# KiCad board WS2812B LED Ring7.kicad_pcb (continued)
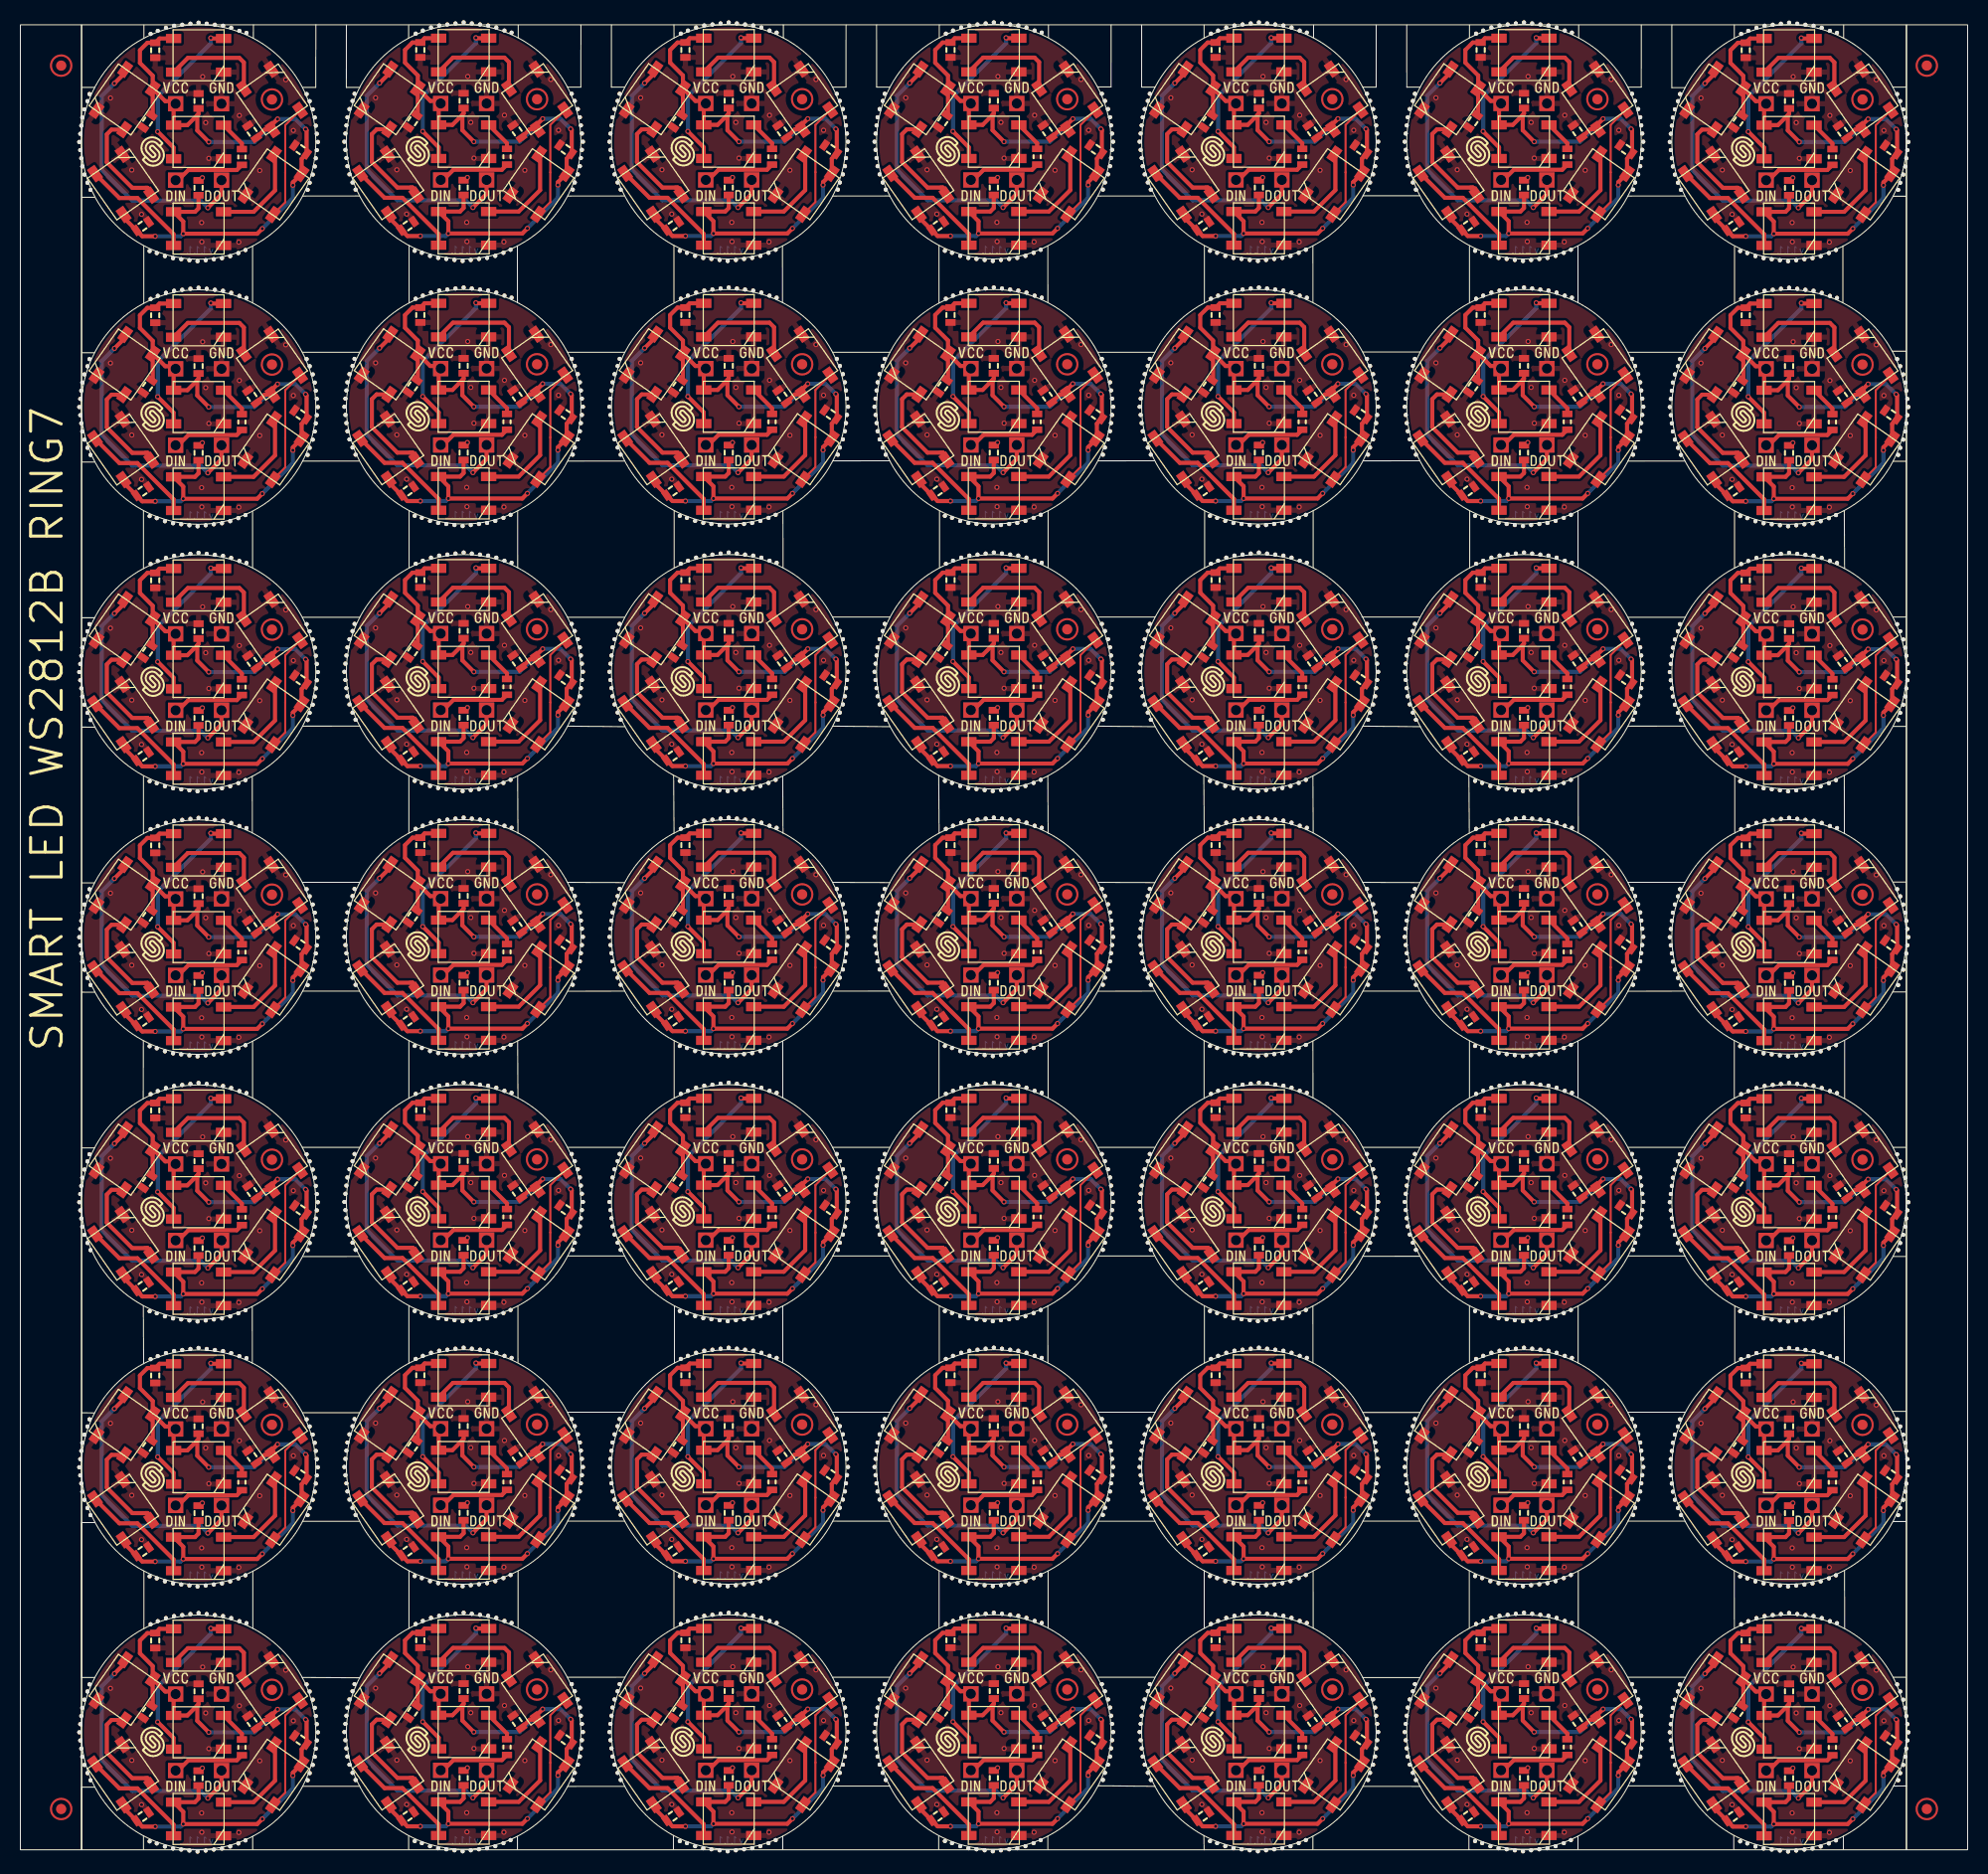
[diagram p0: board, top side]
## Routing (per net, layer and track width the routed paths; a pad name or vN(x,y) marks a point on that pad's centre or on a via; arc(x,y) is an arc through that point) (continued)
Net-(LED3-Pad2): length 555.1
  Top w0.2: LED4#17.4 77.97,5.64 77.97,8.56 77.98,8.56 77.98,13.21 LED3#18.2 ; LED4#7.4 181.97,161.62 181.97,164.53 181.98,164.54 181.98,169.19 LED3#21.2 ; LED4#30.4 77.97,161.64 77.97,164.56 77.98,164.56 77.98,169.21 LED3#16.2 ; LED4#23.4 181.97,57.62 181.97,60.53 181.98,60.54 181.98,65.19 LED3#19.2 ; LED3#24.2 77.98,39.21 77.98,34.56 77.97,34.56 77.97,31.64 LED4#10.4 ; LED4#9.4 155.97,57.64 155.97,60.56 155.98,60.56 155.98,65.21 LED3.2 ; LED3#36.2 155.98,169.21 155.98,164.56 155.97,164.56 155.97,161.64 LED4#28.4 ; LED3#49.2 181.98,143.19 181.98,138.54 181.97,138.53 181.97,135.62 LED4#19.4 ; LED3#28.2 103.98,169.21 103.98,164.56 103.97,164.56 103.97,161.64 LED4#38.4 ; LED4#49.4 25.97,5.62 25.97,8.53 25.98,8.54 25.98,13.19 LED3#9.2 ; LED3#35.2 155.98,91.21 155.98,86.56 155.97,86.56 155.97,83.64 LED4#13.4 ; LED4#46.4 51.97,109.64 51.97,112.56 51.98,112.56 51.98,117.21 LED3#17.2 ; LED3#6.2 77.98,65.21 77.98,60.56 77.97,60.56 77.97,57.64 LED4#45.4 ; LED3#26.2 129.98,13.21 129.98,8.56 129.97,8.56 129.97,5.64 LED4#16.4 ; LED4#32.4 103.97,57.64 103.97,60.56 103.98,60.56 103.98,65.21 LED3#2.2 ; LED4#15.4 25.97,83.62 25.97,86.53 25.98,86.54 25.98,91.19 LED3#13.2 ; LED4#24.4 129.97,57.64 129.97,60.56 129.98,60.56 129.98,65.21 LED3#45.2 ; LED3#34.2 181.98,39.19 181.98,34.54 181.97,34.53 181.97,31.62 LED4#21.4 ; LED4#43.4 181.97,5.62 181.97,8.53 181.98,8.54 181.98,13.19 LED3#40.2 ; LED3#46.2 103.98,13.21 103.98,8.56 103.97,8.56 103.97,5.64 LED4#36.4 ; LED3#39.2 129.98,39.21 129.98,34.56 129.97,34.56 129.97,31.64 LED4#8.4 ; LED3#3.2 77.98,91.21 77.98,86.56 77.97,86.56 77.97,83.64 LED4#41.4 ; LED3#32.2 103.98,143.21 103.98,138.56 103.97,138.56 103.97,135.64 LED4#31.4 ; LED4#6.4 77.97,135.64 77.97,138.56 77.98,138.56 77.98,143.21 LED3#20.2 ; LED3#22.2 155.98,143.21 155.98,138.56 155.97,138.56 155.97,135.64 LED4#37.4 ; LED4#14.4 155.97,5.64 155.97,8.56 155.98,8.56 155.98,13.21 LED3#33.2 ; LED4#34.4 103.97,109.64 103.97,112.56 103.98,112.56 103.98,117.21 LED3#23.2 ; LED4#35.4 181.97,109.62 181.97,112.53 181.98,112.54 181.98,117.19 LED3#25.2 ; LED4#39.4 25.97,135.62 25.97,138.53 25.98,138.54 25.98,143.19 LED3#12.2 ; LED3#38.2 51.98,143.21 51.98,138.56 51.97,138.56 51.97,135.64 LED4#42.4 ; LED4#40.4 181.97,83.62 181.97,86.53 181.98,86.54 181.98,91.19 LED3#11.2 ; LED4#44.4 25.97,109.62 25.97,112.53 25.98,112.54 25.98,117.19 LED3#4.2 ; LED4#18.4 51.97,83.64 51.97,86.56 51.98,86.56 51.98,91.21 LED3#8.2 ; LED3#7.2 129.98,143.21 129.98,138.56 129.97,138.56 129.97,135.64 LED4.4 ; LED3#42.2 25.98,169.19 25.98,164.54 25.97,164.53 25.97,161.62 LED4#48.4 ; LED3#41.2 155.98,39.21 155.98,34.56 155.97,34.56 155.97,31.64 LED4#22.4 ; LED4#25.4 51.97,57.64 51.97,60.56 51.98,60.56 51.98,65.21 LED3#37.2 ; LED4#11.4 129.97,161.64 129.97,164.56 129.98,164.56 129.98,169.21 LED3#48.2 ; LED4#33.4 77.97,109.64 77.97,112.56 77.98,112.56 77.98,117.21 LED3#27.2 ; LED4#27.4 103.97,83.64 103.97,86.56 103.98,86.56 103.98,91.21 LED3#5.2 ; LED4#20.4 155.97,109.64 155.97,112.56 155.98,112.56 155.98,117.21 LED3#10.2 ; LED4#29.4 51.97,31.64 51.97,34.56 51.98,34.56 51.98,39.21 LED3#15.2 ; LED3#43.2 25.98,39.19 25.98,34.54 25.97,34.53 25.97,31.62 LED4#3.4 ; LED4#12.4 103.97,31.64 103.97,34.56 103.98,34.56 103.98,39.21 LED3#31.2 ; LED4#26.4 25.97,57.62 25.97,60.53 25.98,60.54 25.98,65.19 LED3#47.2 ; LED3#30.2 51.98,13.21 51.98,8.56 51.97,8.56 51.97,5.64 LED4#47.4 ; LED3#14.2 129.98,117.21 129.98,112.56 129.97,112.56 129.97,109.64 LED4#5.4 ; LED4#4.4 129.97,83.64 129.97,86.56 129.98,86.56 129.98,91.21 LED3#44.2 ; LED3#29.2 51.98,169.21 51.98,164.56 51.97,164.56 51.97,161.64 LED4#2.4
Net-(LED4-Pad2): length 465.3
  Top w0.4: LED4#45.2 76.97,62.25 76.97,58.81 74.88,56.71 LED5#8.4 ; LED5#25.4 74.88,134.71 76.97,136.81 76.97,140.25 LED4#6.2 ; LED4#29.2 50.97,36.25 50.97,32.81 48.88,30.71 LED5#31.4 ; LED4#43.2 180.97,10.23 180.97,6.78 178.88,4.69 175.93,4.69 ; LED5#4.4 152.88,56.71 154.97,58.81 154.97,62.25 LED4#9.2 ; LED4#13.2 154.97,88.25 154.97,84.81 152.88,82.71 LED5#6.4 ; LED4#28.2 154.97,166.25 154.97,162.81 152.88,160.71 LED5#35.4 ; LED5#9.4 48.88,134.71 50.97,136.81 50.97,140.25 LED4#42.2 ; LED5#20.4 48.88,82.71 50.97,84.81 50.97,88.25 LED4#18.2 ; LED4#38.2 102.97,166.25 102.97,162.81 100.88,160.71 LED5#2.4 ; LED5#46.4 126.88,4.71 128.97,6.81 128.97,10.25 LED4#16.2 ; LED4#11.2 128.97,166.25 128.97,162.81 126.88,160.71 LED5#44.4 ; LED4#22.2 154.97,36.25 154.97,32.81 152.88,30.71 LED5#32.4 ; LED4#35.2 180.97,114.23 180.97,110.78 178.88,108.69 LED5#38.4 ; LED5#30.4 48.88,160.71 50.97,162.81 50.97,166.25 LED4#2.2 ; LED5#37.4 178.88,30.69 180.97,32.78 180.97,36.23 LED4#21.2 ; LED4#12.2 102.97,36.25 102.97,32.81 100.88,30.71 LED5#28.4 ; LED4#32.2 102.97,62.25 102.97,58.81 100.88,56.71 LED5#48.4 ; LED4#14.2 154.97,10.25 154.97,6.81 152.88,4.71 LED5#7.4 ; LED5#40.4 48.88,108.71 50.97,110.81 50.97,114.25 LED4#46.2 ; LED4#49.2 24.97,10.23 24.97,6.78 22.88,4.69 19.92,4.69 ; LED4#47.2 50.97,10.25 50.97,6.81 48.88,4.71 LED5.4 ; LED4#7.2 180.97,166.23 180.97,162.78 178.88,160.69 LED5#36.4 ; LED4#20.2 154.97,114.25 154.97,110.81 152.88,108.71 LED5#10.4 ; LED5#47.4 22.88,56.69 24.97,58.78 24.97,62.23 LED4#26.2 ; LED5#49.4 74.88,30.71 76.97,32.81 76.97,36.25 LED4#10.2 ; LED5#27.4 126.88,108.71 128.97,110.81 128.97,114.25 LED4#5.2 ; LED4.2 128.97,140.25 128.97,136.81 126.88,134.71 LED5#26.4 ; LED4#37.2 154.97,140.25 154.97,136.81 152.88,134.71 LED5#34.4 ; LED4#24.2 128.97,62.25 128.97,58.81 126.88,56.71 LED5#23.4 ; LED5#29.4 178.88,56.69 180.97,58.78 180.97,62.23 LED4#23.2 ; LED5#18.4 22.88,30.69 24.97,32.78 24.97,36.23 LED4#3.2 ; LED5#13.4 100.88,108.71 102.97,110.81 102.97,114.25 LED4#34.2 ; LED5#43.4 22.88,160.69 24.97,162.78 24.97,166.23 LED4#48.2 ; LED5#22.4 74.88,108.71 76.97,110.81 76.97,114.25 LED4#33.2 ; LED4#8.2 128.97,36.25 128.97,32.81 126.88,30.71 LED5#16.4 ; LED5#14.4 100.88,4.71 102.97,6.81 102.97,10.25 LED4#36.2 ; LED4#19.2 180.97,140.23 180.97,136.78 178.88,134.69 LED5#5.4 ; LED4#17.2 76.97,10.25 76.97,6.81 74.88,4.71 LED5#11.4 ; LED5#39.4 48.88,56.71 50.97,58.81 50.97,62.25 LED4#25.2 ; LED5#3.4 74.88,82.71 76.97,84.81 76.97,88.25 LED4#41.2 ; LED5#17.4 178.88,82.69 180.97,84.78 180.97,88.23 LED4#40.2 ; LED5#15.4 100.88,82.71 102.97,84.81 102.97,88.25 LED4#27.2 ; LED5#19.4 100.88,134.71 102.97,136.81 102.97,140.25 LED4#31.2 ; LED4#15.2 24.97,88.23 24.97,84.78 22.88,82.69 LED5#24.4 ; LED4#30.2 76.97,166.25 76.97,162.81 74.88,160.71 LED5#41.4 ; LED4#39.2 24.97,140.23 24.97,136.78 22.88,134.69 LED5#12.4 ; LED4#4.2 128.97,88.25 128.97,84.81 126.88,82.71 LED5#33.4 ; LED5#21.4 22.88,108.69 24.97,110.78 24.97,114.23 LED4#44.2
Net-(LED5-Pad2): length 552.2
  Top w0.4: LED5#23.2 119.03,54.51 115.47,58.06 113.71,58.06 LED6#11.4 ; LED6#24.4 139.71,58.06 141.47,58.06 145.03,54.51 LED5#4.2 ; LED6#32.4 113.71,110.06 115.47,110.06 119.03,106.51 LED5#27.2 ; LED5#10.2 145.03,106.51 141.47,110.06 139.71,110.06 LED6#5.4 ; LED5#20.2 41.03,80.51 37.47,84.06 35.71,84.06 LED6#35.4 ; LED6#39.4 87.71,136.06 89.47,136.06 93.03,132.51 LED5#19.2 ; LED6#12.4 139.71,136.06 141.47,136.06 145.03,132.51 LED5#34.2 ; LED5#12.2 15.03,132.48 11.47,136.03 9.71,136.03 LED6#44.4 ; LED5#29.2 171.03,54.48 167.47,58.03 165.71,58.03 LED6#25.4 ; LED6#41.4 35.71,110.06 37.47,110.06 41.03,106.51 LED5#40.2 ; LED6#49.4 9.71,32.03 11.47,32.03 15.03,28.48 LED5#18.2 ; LED6#22.4 139.71,84.06 141.47,84.06 145.03,80.51 LED5#6.2 ; LED5#26.2 119.03,132.51 115.47,136.06 113.71,136.06 LED6#13.4 ; LED6#33.4 61.71,58.06 63.47,58.06 67.03,54.51 LED5#8.2 ; LED6#45.4 61.71,162.06 63.47,162.06 67.03,158.51 LED5#41.2 ; LED6#19.4 139.71,162.06 141.47,162.06 145.03,158.51 LED5#35.2 ; LED6#10.4 87.71,84.06 89.47,84.06 93.03,80.51 LED5#15.2 ; LED5#48.2 93.03,54.51 89.47,58.06 87.71,58.06 LED6.4 ; LED6#47.4 139.71,6.06 141.47,6.06 145.03,2.51 LED5#7.2 ; LED5#37.2 171.03,28.48 167.47,32.03 165.71,32.03 LED6#28.4 ; LED6#4.4 9.71,58.03 11.47,58.03 15.03,54.48 LED5#47.2 ; LED5#39.2 41.03,54.51 37.47,58.06 35.71,58.06 LED6#34.4 ; LED5#30.2 41.03,158.51 37.47,162.06 35.71,162.06 LED6#48.4 ; LED6#27.4 61.71,110.06 63.47,110.06 67.03,106.51 LED5#22.2 ; LED6#36.4 35.71,136.06 37.47,136.06 41.03,132.51 LED5#9.2 ; LED5#36.2 171.03,158.48 167.47,162.03 165.71,162.03 LED6#18.4 ; LED6#8.4 9.71,162.03 11.47,162.03 15.03,158.48 LED5#43.2 ; LED5#17.2 171.03,80.48 167.47,84.03 165.71,84.03 LED6#29.4 ; LED5#49.2 67.03,28.51 63.47,32.06 61.71,32.06 LED6#20.4 ; LED6#40.4 165.71,136.03 167.47,136.03 171.03,132.48 LED5#5.2 ; LED6#43.4 9.71,6.03 11.47,6.03 15.03,2.49 LED5#45.2 ; LED5#46.2 119.03,2.51 115.47,6.06 113.71,6.06 LED6#15.4 ; LED6#14.4 165.71,110.03 167.47,110.03 171.03,106.48 LED5#38.2 ; LED6#37.4 35.71,6.06 37.47,6.06 41.03,2.51 LED5.2 ; LED6#3.4 61.71,84.06 63.47,84.06 67.03,80.51 LED5#3.2 ; LED5#14.2 93.03,2.51 89.47,6.06 87.71,6.06 LED6#9.4 ; LED5#28.2 93.03,28.51 89.47,32.06 87.71,32.06 LED6#6.4 ; LED6#2.4 35.71,32.06 37.47,32.06 41.03,28.51 LED5#31.2 ; LED5#33.2 119.03,80.51 115.47,84.06 113.71,84.06 LED6#16.4 ; LED6#30.4 9.71,110.03 11.47,110.03 15.03,106.48 LED5#21.2 ; LED5#2.2 93.03,158.51 89.47,162.06 87.71,162.06 LED6#23.4 ; LED6#7.4 87.71,110.06 89.47,110.06 93.03,106.51 LED5#13.2 ; LED5#25.2 67.03,132.51 63.47,136.06 61.71,136.06 LED6#46.4 ; LED6#21.4 113.71,32.06 115.47,32.06 119.03,28.51 LED5#16.2 ; LED5#44.2 119.03,158.51 115.47,162.06 113.71,162.06 LED6#17.4 ; LED5#32.2 145.03,28.51 141.47,32.06 139.71,32.06 LED6#42.4 ; LED5#24.2 15.03,80.48 11.47,84.03 9.71,84.03 LED6#31.4 ; LED5#42.2 171.03,2.49 167.47,6.03 165.71,6.03 LED6#26.4 ; LED5#11.2 67.03,2.51 63.47,6.06 61.71,6.06 LED6#38.4
Net-(LED6-Pad2): length 529.1
  Top w0.4: LED7#17.4 86.94,12.77 86.47,12.31 86.47,9.56 88.97,7.06 90.47,7.06 ; 116.47,7.06 116.83,6.7 LED6#15.2 ; 116.47,7.06 114.97,7.06 112.47,9.56 112.47,12.31 112.94,12.77 LED7#23.4 ; 116.47,7.06 116.22,7.06 ; 64.47,7.06 64.22,7.06 ; 64.47,7.06 62.97,7.06 60.47,9.56 60.47,12.31 60.94,12.77 LED7#48.4 ; 64.47,7.06 64.83,6.7 LED6#38.2 ; LED6#6.2 90.83,32.7 90.47,33.06 ; LED6#36.2 38.83,136.7 38.47,137.06 ; 12.47,59.03 12.22,59.03 ; 12.47,59.03 10.97,59.03 8.47,61.53 8.47,64.28 8.94,64.75 LED7#9.4 ; 12.47,59.03 12.83,58.68 LED6#4.2 ; 168.47,137.03 168.83,136.68 LED6#40.2 ; 168.47,137.03 168.22,137.03 ; 168.47,137.03 166.97,137.03 164.47,139.53 164.47,142.28 164.94,142.75 LED7#14.4 ; LED7.4 34.94,64.77 34.47,64.31 34.47,61.56 36.97,59.06 38.47,59.06 ; 116.47,85.06 116.83,84.7 LED6#16.2 ; 116.47,85.06 114.97,85.06 112.47,87.56 112.47,90.31 112.94,90.77 LED7#47.4 ; 116.47,85.06 116.22,85.06 ; 168.47,163.03 168.83,162.68 LED6#18.2 ; 168.47,163.03 166.97,163.03 164.47,165.53 164.47,168.28 164.94,168.75 LED7#4.4 ; 168.47,163.03 168.22,163.03 ; LED6#30.2 12.83,110.68 12.47,111.03 ; LED6#27.2 64.83,110.7 64.47,111.06 ; LED6#3.2 64.83,84.7 64.47,85.06 ; 64.47,137.06 62.97,137.06 60.47,139.56 60.47,142.31 60.94,142.77 LED7#38.4 ; 64.47,137.06 64.83,136.7 LED6#46.2 ; 64.47,137.06 64.22,137.06 ; LED6#41.2 38.83,110.7 38.47,111.06 ; 142.47,85.06 142.22,85.06 ; 142.47,85.06 140.97,85.06 138.47,87.56 138.47,90.31 138.94,90.77 LED7#31.4 ; 142.47,85.06 142.83,84.7 LED6#22.2 ; 64.47,59.06 62.97,59.06 60.47,61.56 60.47,64.31 60.94,64.77 LED7#19.4 ; 64.47,59.06 64.22,59.06 ; 64.47,59.06 64.83,58.7 LED6#33.2 ; 64.47,111.06 64.22,111.06 ; 64.47,111.06 62.97,111.06 60.47,113.56 60.47,116.31 60.94,116.77 LED7#30.4 ; LED6#14.2 168.83,110.68 168.47,111.03 ; 168.47,59.03 166.97,59.03 164.47,61.53 164.47,64.28 164.94,64.75 LED7#7.4 ; 168.47,59.03 168.83,58.68 LED6#25.2 ; 168.47,59.03 168.22,59.03 ; 168.47,111.03 168.22,111.03 ; 168.47,111.03 166.97,111.03 164.47,113.53 164.47,116.28 164.94,116.75 LED7#11.4 ; LED6#5.2 142.83,110.7 142.47,111.06 ; 90.47,111.06 90.83,110.7 LED6#7.2 ; 90.47,111.06 90.22,111.06 ; 90.47,111.06 88.97,111.06 86.47,113.56 86.47,116.31 86.94,116.77 LED7#5.4 ; 38.47,7.06 36.97,7.06 34.47,9.56 34.47,12.31 34.94,12.77 LED7#45.4 ; 38.47,7.06 38.83,6.7 LED6#37.2 ; 38.47,7.06 38.22,7.06 ; 38.47,59.06 38.22,59.06 ; 38.47,59.06 38.83,58.7 LED6#34.2 ; LED6#42.2 142.83,32.7 142.47,33.06 ; 38.47,137.06 36.97,137.06 34.47,139.56 34.47,142.31 34.94,142.77 LED7#37.4 ; 38.47,137.06 38.22,137.06 ; LED7#40.4 34.94,38.77 34.47,38.31 34.47,35.56 36.97,33.06 38.47,33.06 ; LED6#12.2 142.83,136.7 142.47,137.06 ; 142.47,137.06 142.22,137.06 ; 142.47,137.06 140.97,137.06 138.47,139.56 138.47,142.31 138.94,142.77 LED7#26.4 ; 116.47,137.06 114.97,137.06 112.47,139.56 112.47,142.31 112.94,142.77 LED7#42.4 ; 116.47,137.06 116.22,137.06 ; 116.47,137.06 116.83,136.7 LED6#13.2 ; 168.47,7.03 168.83,6.68 LED6#26.2 ; 168.47,7.03 166.97,7.03 164.47,9.53 164.47,12.28 164.94,12.75 LED7#36.4 ; 168.47,7.03 168.22,7.03 ; LED6#43.2 12.83,6.68 12.47,7.03 ; 116.47,163.06 116.22,163.06 ; 116.47,163.06 116.83,162.7 LED6#17.2 ; 116.47,163.06 114.97,163.06 112.47,165.56 112.47,168.31 112.94,168.77 LED7#33.4 ; 116.47,111.06 116.22,111.06 ; 116.47,111.06 114.97,111.06 112.47,113.56 112.47,116.31 112.94,116.77 LED7#41.4 ; 116.47,111.06 116.83,110.7 LED6#32.2 ; 12.47,111.03 10.97,111.03 8.47,113.53 8.47,116.28 8.94,116.75 LED7#3.4 ; 12.47,111.03 12.22,111.03 ; 38.47,85.06 38.22,85.06 ; 38.47,85.06 38.83,84.7 LED6#35.2 ; 38.47,85.06 36.97,85.06 34.47,87.56 34.47,90.31 34.94,90.77 LED7#16.4 ; 90.47,85.06 90.83,84.7 LED6#10.2 ; 90.47,85.06 90.22,85.06 ; 90.47,85.06 88.97,85.06 86.47,87.56 86.47,90.31 86.94,90.77 LED7#18.4 ; 38.47,33.06 38.83,32.7 LED6#2.2 ; 38.47,33.06 38.22,33.06 ; 116.47,33.06 116.22,33.06 ; 116.47,33.06 114.97,33.06 112.47,35.56 112.47,38.31 112.94,38.77 LED7#24.4 ; 116.47,33.06 116.83,32.7 LED6#21.2 ; 64.47,33.06 64.83,32.7 LED6#20.2 ; 64.47,33.06 62.97,33.06 60.47,35.56 60.47,38.31 60.94,38.77 LED7#29.4 ; 64.47,33.06 64.22,33.06 ; LED7#8.4 60.94,168.77 60.47,168.31 60.47,165.56 62.97,163.06 64.47,163.06 ; LED7#22.4 8.94,142.75 8.47,142.28 8.47,139.53 10.97,137.03 12.47,137.03 ; 38.47,163.06 36.97,163.06 34.47,165.56 34.47,168.31 34.94,168.77 LED7#25.4 ; 38.47,163.06 38.83,162.7 LED6#48.2 ; 38.47,163.06 38.22,163.06 ; 12.47,85.03 10.97,85.03 8.47,87.53 8.47,90.28 8.94,90.75 LED7#20.4 ; 12.47,85.03 12.83,84.68 LED6#31.2 ; 12.47,85.03 12.22,85.03 ; 12.47,163.03 10.97,163.03 8.47,165.53 8.47,168.28 8.94,168.75 LED7#44.4 ; 12.47,163.03 12.83,162.68 LED6#8.2 ; 12.47,163.03 12.22,163.03 ; 142.47,33.06 140.97,33.06 138.47,35.56 138.47,38.31 138.94,38.77 LED7#46.4 ; 142.47,33.06 142.22,33.06 ; 90.47,163.06 90.22,163.06 ; 90.47,163.06 88.97,163.06 86.47,165.56 86.47,168.31 86.94,168.77 LED7#12.4 ; 90.47,163.06 90.83,162.7 LED6#23.2 ; 168.47,33.03 168.22,33.03 ; 168.47,33.03 168.83,32.68 LED6#28.2 ; 168.47,33.03 166.97,33.03 164.47,35.53 164.47,38.28 164.94,38.75 LED7#39.4 ; 90.47,59.06 88.97,59.06 86.47,61.56 86.47,64.31 86.94,64.77 LED7#43.4 ; 90.47,59.06 90.22,59.06 ; 90.47,59.06 90.83,58.7 LED6.2 ; 142.47,59.06 140.97,59.06 138.47,61.56 138.47,64.31 138.94,64.77 LED7#32.4 ; 142.47,59.06 142.22,59.06 ; 142.47,59.06 142.83,58.7 LED6#24.2 ; 90.47,7.06 90.22,7.06 ; 90.47,7.06 90.83,6.7 LED6#9.2 ; 64.47,85.06 64.22,85.06 ; 64.47,85.06 62.97,85.06 60.47,87.56 60.47,90.31 60.94,90.77 LED7#6.4 ; LED7#28.4 112.94,64.77 112.47,64.31 112.47,61.56 114.97,59.06 116.47,59.06 ; 142.47,7.06 142.83,6.7 LED6#47.2 ; 142.47,7.06 142.22,7.06 ; 142.47,7.06 140.97,7.06 138.47,9.56 138.47,12.31 138.94,12.77 LED7#10.4 ; 12.47,7.03 10.97,7.03 8.47,9.53 8.47,12.28 8.94,12.75 LED7#2.4 ; 12.47,7.03 12.22,7.03 ; LED7#49.4 138.94,168.77 138.47,168.31 138.47,165.56 140.97,163.06 142.47,163.06 ; LED7#27.4 164.94,90.75 164.47,90.28 164.47,87.53 166.97,85.03 168.47,85.03 ; 90.47,137.06 90.83,136.7 LED6#39.2 ; 90.47,137.06 88.97,137.06 86.47,139.56 86.47,142.31 86.94,142.77 LED7#15.4 ; 90.47,137.06 90.22,137.06 ; 12.47,137.03 12.83,136.68 LED6#44.2 ; 12.47,137.03 12.22,137.03 ; LED6#45.2 64.83,162.7 64.47,163.06 ; 38.47,111.06 38.22,111.06 ; 38.47,111.06 36.97,111.06 34.47,113.56 34.47,116.31 34.94,116.77 LED7#35.4 ; LED6#11.2 116.83,58.7 116.47,59.06 ; 116.47,59.06 116.22,59.06 ; LED7#13.4 138.94,116.77 138.47,116.31 138.47,113.56 140.97,111.06 142.47,111.06 ; 142.47,111.06 142.22,111.06 ; 90.47,33.06 88.97,33.06 86.47,35.56 86.47,38.31 86.94,38.77 LED7#21.4 ; 90.47,33.06 90.22,33.06 ; 142.47,163.06 142.22,163.06 ; 142.47,163.06 142.83,162.7 LED6#19.2 ; 12.47,33.03 10.97,33.03 8.47,35.53 8.47,38.28 8.94,38.75 LED7#34.4 ; 12.47,33.03 12.22,33.03 ; 12.47,33.03 12.83,32.68 LED6#49.2 ; 64.47,163.06 64.22,163.06 ; LED6#29.2 168.83,84.68 168.47,85.03 ; 168.47,85.03 168.22,85.03
Net-(LED7-Pad2): length 1263.5
  Top w0.4: 45.72,163.56 45.72,162.44 v1(44.39,161.1) ; v1(61.22,69.31) 62.28,70.36 LED7#19.2 ; LED7.2 36.28,70.36 v1(35.22,69.31) ; LED7#23.2 114.28,18.36 v1(113.22,17.31) ; v1(174.38,5.07) 175.72,6.41 175.72,7.53 ; LED7#49.2 140.28,174.36 v1(139.22,173.31) ; 45.72,85.56 45.72,84.44 v1(44.39,83.1) ; 71.72,7.56 71.72,6.44 v1(70.38,5.1) ; v1(9.22,43.28) 10.28,44.34 LED7#34.2 ; v1(122.38,135.1) 123.72,136.44 123.72,137.56 ; v1(148.38,5.1) 149.72,6.44 149.72,7.56 ; v1(87.22,147.31) 88.28,148.36 LED7#15.2 ; 149.72,163.56 149.72,162.44 v1(148.38,161.1) ; v1(113.22,43.31) 114.28,44.36 LED7#24.2 ; 123.72,7.56 123.72,6.44 v1(122.38,5.1) ; 97.72,137.56 97.72,136.44 v1(96.38,135.1) ; LED7#42.2 114.28,148.36 v1(113.22,147.31) ; v1(9.22,173.28) 10.28,174.34 LED7#44.2 ; LED7#17.2 88.28,18.36 v1(87.22,17.31) ; LED7#36.2 166.28,18.34 v1(165.22,17.28) ; v1(87.22,43.31) 88.28,44.36 LED7#21.2 ; LED7#16.2 36.28,96.36 v1(35.22,95.31) ; 71.72,59.56 71.72,58.44 v1(70.38,57.1) ; LED7#28.2 114.28,70.36 v1(113.22,69.31) ; v1(148.38,57.1) 149.72,58.44 149.72,59.56 ; v1(70.38,135.1) 71.72,136.44 71.72,137.56 ; 71.72,163.56 71.72,162.44 v1(70.38,161.1) ; v1(165.22,173.28) 166.28,174.34 LED7#4.2 ; v1(70.38,83.1) 71.72,84.44 71.72,85.56 ; v1(9.22,17.28) 10.28,18.34 LED7#2.2 ; v1(87.22,121.31) 88.28,122.36 LED7#5.2 ; LED7#22.2 10.28,148.34 v1(9.22,147.28) ; v1(139.22,17.31) 140.28,18.36 LED7#10.2 ; 175.72,85.53 175.72,84.41 v1(174.38,83.07) ; 175.72,137.53 175.72,136.41 v1(174.38,135.07) ; 19.72,7.53 19.72,6.41 v1(18.39,5.07) ; v1(18.39,83.07) 19.72,84.41 19.72,85.53 ; v1(87.22,69.31) 88.28,70.36 LED7#43.2 ; v1(44.39,57.1) 45.72,58.44 45.72,59.56 ; 19.72,33.53 19.72,32.41 v1(18.39,31.07) ; 19.72,163.53 19.72,162.41 v1(18.39,161.07) ; 45.72,111.56 45.72,110.44 v1(44.39,109.1) ; 45.72,7.56 45.72,6.44 v1(44.39,5.1) ; LED7#46.2 140.28,44.36 v1(139.22,43.31) ; v1(174.38,109.07) 175.72,110.41 175.72,111.53 ; 149.72,111.56 149.72,110.44 v1(148.38,109.1) ; LED7#30.2 62.28,122.36 v1(61.22,121.31) ; v1(148.38,135.1) 149.72,136.44 149.72,137.56 ; v1(165.22,43.28) 166.28,44.34 LED7#39.2 ; v1(139.22,121.31) 140.28,122.36 LED7#13.2 ; v1(113.22,95.31) 114.28,96.36 LED7#47.2 ; v1(96.38,57.1) 97.72,58.44 97.72,59.56 ; v1(148.38,83.1) 149.72,84.44 149.72,85.56 ; 45.72,137.56 45.72,136.44 v1(44.39,135.1) ; 123.72,111.56 123.72,110.44 v1(122.38,109.1) ; 71.72,111.56 71.72,110.44 v1(70.38,109.1) ; LED7#45.2 36.28,18.36 v1(35.22,17.31) ; 175.72,59.53 175.72,58.41 v1(174.38,57.07) ; v1(87.22,95.31) 88.28,96.36 LED7#18.2 ; LED7#20.2 10.28,96.34 v1(9.22,95.28) ; LED7#33.2 114.28,174.36 v1(113.22,173.31) ; v1(148.38,31.1) 149.72,32.44 149.72,33.56 ; 123.72,59.56 123.72,58.44 v1(122.38,57.1) ; v1(139.22,147.31) 140.28,148.36 LED7#26.2 ; LED7#7.2 166.28,70.34 v1(165.22,69.28) ; v1(96.38,83.1) 97.72,84.44 97.72,85.56 ; v1(122.38,83.1) 123.72,84.44 123.72,85.56 ; v1(70.38,31.1) 71.72,32.44 71.72,33.56 ; v1(96.38,5.1) 97.72,6.44 97.72,7.56 ; v1(9.22,69.28) 10.28,70.34 LED7#9.2 ; 97.72,33.56 97.72,32.44 v1(96.38,31.1) ; LED7#29.2 62.28,44.36 v1(61.22,43.31) ; v1(35.22,173.31) 36.28,174.36 LED7#25.2 ; LED7#37.2 36.28,148.36 v1(35.22,147.31) ; v1(174.38,31.07) 175.72,32.41 175.72,33.53 ; v1(113.22,121.31) 114.28,122.36 LED7#41.2 ; v1(122.38,31.1) 123.72,32.44 123.72,33.56 ; LED7#27.2 166.28,96.34 v1(165.22,95.28) ; 19.72,111.53 19.72,110.41 v1(18.39,109.07) ; 19.72,59.53 19.72,58.41 v1(18.39,57.07) ; LED7#35.2 36.28,122.36 v1(35.22,121.31) ; 123.72,163.56 123.72,162.44 v1(122.38,161.1) ; 45.72,33.56 45.72,32.44 v1(44.39,31.1) ; LED7#14.2 166.28,148.34 v1(165.22,147.28) ; 175.72,163.53 175.72,162.41 v1(174.38,161.07) ; LED7#48.2 62.28,18.36 v1(61.22,17.31) ; LED7#31.2 140.28,96.36 v1(139.22,95.31) ; v1(35.22,43.31) 36.28,44.36 LED7#40.2 ; v1(61.22,147.31) 62.28,148.36 LED7#38.2 ; v1(96.38,109.1) 97.72,110.44 97.72,111.56 ; LED7#32.2 140.28,70.36 v1(139.22,69.31) ; LED7#6.2 62.28,96.36 v1(61.22,95.31) ; v1(165.22,121.28) 166.28,122.34 LED7#11.2 ; v1(87.22,173.31) 88.28,174.36 LED7#12.2 ; v1(96.38,161.1) 97.72,162.44 97.72,163.56 ; LED7#3.2 10.28,122.34 v1(9.22,121.28) ; LED7#8.2 62.28,174.36 v1(61.22,173.31) ; 19.72,137.53 19.72,136.41 v1(18.39,135.07)
  Bottom w0.4: v1(61.22,147.31) 59.97,146.06 59.97,138.81 62.97,135.81 69.68,135.81 v1(70.38,135.1) ; v1(113.22,17.31) 111.97,16.06 111.97,8.81 114.97,5.81 121.68,5.81 v1(122.38,5.1) ; v1(174.38,57.07) 173.68,57.78 166.97,57.78 163.97,60.78 163.97,68.03 v1(165.22,69.28) ; v1(35.22,17.31) 33.97,16.06 33.97,8.81 36.97,5.81 43.67,5.81 v1(44.39,5.1) ; v1(113.22,147.31) 111.97,146.06 111.97,138.81 114.97,135.81 121.68,135.81 v1(122.38,135.1) ; v1(9.22,17.28) 7.97,16.03 7.97,8.78 10.97,5.78 17.67,5.78 v1(18.39,5.07) ; v1(96.38,5.1) 95.68,5.81 88.97,5.81 85.97,8.81 85.97,16.06 v1(87.22,17.31) ; v1(139.22,69.31) 137.97,68.06 137.97,60.81 140.97,57.81 147.68,57.81 v1(148.38,57.1) ; v1(61.22,121.31) 59.97,120.06 59.97,112.81 62.97,109.81 69.68,109.81 v1(70.38,109.1) ; v1(44.39,161.1) 43.67,161.81 36.97,161.81 33.97,164.81 33.97,172.06 v1(35.22,173.31) ; v1(18.39,83.07) 17.67,83.78 10.97,83.78 7.97,86.78 7.97,94.03 v1(9.22,95.28) ; v1(18.39,161.07) 17.67,161.78 10.97,161.78 7.97,164.78 7.97,172.03 v1(9.22,173.28) ; v1(18.39,109.07) 17.67,109.78 10.97,109.78 7.97,112.78 7.97,120.03 v1(9.22,121.28) ; v1(61.22,69.31) 59.97,68.06 59.97,60.81 62.97,57.81 69.68,57.81 v1(70.38,57.1) ; v1(44.39,31.1) 43.67,31.81 36.97,31.81 33.97,34.81 33.97,42.06 v1(35.22,43.31) ; v1(61.22,173.31) 59.97,172.06 59.97,164.81 62.97,161.81 69.68,161.81 v1(70.38,161.1) ; v1(174.38,83.07) 173.68,83.78 166.97,83.78 163.97,86.78 163.97,94.03 v1(165.22,95.28) ; v1(148.38,5.1) 147.68,5.81 140.97,5.81 137.97,8.81 137.97,16.06 v1(139.22,17.31) ; v1(113.22,95.31) 111.97,94.06 111.97,86.81 114.97,83.81 121.68,83.81 v1(122.38,83.1) ; v1(113.22,173.31) 111.97,172.06 111.97,164.81 114.97,161.81 121.68,161.81 v1(122.38,161.1) ; v1(174.38,109.07) 173.68,109.78 166.97,109.78 163.97,112.78 163.97,120.03 v1(165.22,121.28) ; v1(113.22,121.31) 111.97,120.06 111.97,112.81 114.97,109.81 121.68,109.81 v1(122.38,109.1) ; v1(148.38,83.1) 147.68,83.81 140.97,83.81 137.97,86.81 137.97,94.06 v1(139.22,95.31) ; v1(35.22,95.31) 33.97,94.06 33.97,86.81 36.97,83.81 43.67,83.81 v1(44.39,83.1) ; v1(148.38,135.1) 147.68,135.81 140.97,135.81 137.97,138.81 137.97,146.06 v1(139.22,147.31) ; v1(96.38,135.1) 95.68,135.81 88.97,135.81 85.97,138.81 85.97,146.06 v1(87.22,147.31) ; v1(9.22,147.28) 7.97,146.03 7.97,138.78 10.97,135.78 17.67,135.78 v1(18.39,135.07) ; v1(174.38,31.07) 173.68,31.78 166.97,31.78 163.97,34.78 163.97,42.03 v1(165.22,43.28) ; v1(87.22,43.31) 85.97,42.06 85.97,34.81 88.97,31.81 95.68,31.81 v1(96.38,31.1) ; v1(96.38,109.1) 95.68,109.81 88.97,109.81 85.97,112.81 85.97,120.06 v1(87.22,121.31) ; v1(61.22,17.31) 59.97,16.06 59.97,8.81 62.97,5.81 69.68,5.81 v1(70.38,5.1) ; v1(139.22,121.31) 137.97,120.06 137.97,112.81 140.97,109.81 147.68,109.81 v1(148.38,109.1) ; v1(87.22,95.31) 85.97,94.06 85.97,86.81 88.97,83.81 95.68,83.81 v1(96.38,83.1) ; v1(44.39,109.1) 43.67,109.81 36.97,109.81 33.97,112.81 33.97,120.06 v1(35.22,121.31) ; v1(165.22,147.28) 163.97,146.03 163.97,138.78 166.97,135.78 173.68,135.78 v1(174.38,135.07) ; v1(165.22,173.28) 163.97,172.03 163.97,164.78 166.97,161.78 173.68,161.78 v1(174.38,161.07) ; v1(18.39,31.07) 17.67,31.78 10.97,31.78 7.97,34.78 7.97,42.03 v1(9.22,43.28) ; v1(174.38,5.07) 173.68,5.78 166.97,5.78 163.97,8.78 163.97,16.03 v1(165.22,17.28) ; v1(113.22,69.31) 111.97,68.06 111.97,60.81 114.97,57.81 121.68,57.81 v1(122.38,57.1) ; v1(122.38,31.1) 121.68,31.81 114.97,31.81 111.97,34.81 111.97,42.06 v1(113.22,43.31) ; v1(148.38,31.1) 147.68,31.81 140.97,31.81 137.97,34.81 137.97,42.06 v1(139.22,43.31) ; v1(96.38,57.1) 95.68,57.81 88.97,57.81 85.97,60.81 85.97,68.06 v1(87.22,69.31) ; v1(44.39,57.1) 43.67,57.81 36.97,57.81 33.97,60.81 33.97,68.06 v1(35.22,69.31) ; v1(9.22,69.28) 7.97,68.03 7.97,60.78 10.97,57.78 17.67,57.78 v1(18.39,57.07) ; v1(70.38,31.1) 69.68,31.81 62.97,31.81 59.97,34.81 59.97,42.06 v1(61.22,43.31) ; v1(87.22,173.31) 85.97,172.06 85.97,164.81 88.97,161.81 95.68,161.81 v1(96.38,161.1) ; v1(139.22,173.31) 137.97,172.06 137.97,164.81 140.97,161.81 147.68,161.81 v1(148.38,161.1) ; v1(61.22,95.31) 59.97,94.06 59.97,86.81 62.97,83.81 69.68,83.81 v1(70.38,83.1) ; v1(35.22,147.31) 33.97,146.06 33.97,138.81 36.97,135.81 43.67,135.81 v1(44.39,135.1)
  vias: v2(19.72,163.78) v2(19.72,137.78) v2(19.72,111.78) v2(19.72,85.78) v2(19.72,59.78) v2(19.72,33.78) v2(19.72,7.78) v2(45.72,163.81) v2(45.72,137.81) v2(45.72,111.81) v2(45.72,85.81) v2(45.72,59.81) v2(45.72,33.81) v2(45.72,7.81) v2(71.72,163.81) v2(71.72,137.81) v2(71.72,111.81) v2(71.72,85.81) v2(71.72,59.81) v2(71.72,33.81) v2(71.72,7.81) v2(97.72,163.81) v2(97.72,137.81) v2(97.72,111.81) v2(97.72,85.81) v2(97.72,59.81) v2(97.72,33.81) v2(97.72,7.81) v2(123.72,163.81) v2(123.72,137.81) v2(123.72,111.81) v2(123.72,85.81) v2(123.72,59.81) v2(123.72,33.81) v2(123.72,7.81) v2(149.72,163.81) v2(149.72,137.81) v2(149.72,111.81) v2(149.72,85.81) v2(149.72,59.81) v2(149.72,33.81) v2(149.72,7.81) v2(175.72,163.78) v2(175.72,137.78) v2(175.72,111.78) v2(175.72,85.78) v2(175.72,59.78) v2(175.72,33.78) v2(175.72,7.78)
Net-(PAD2-Pad1): length 354
  Top w0.4: R1#47.2 99.22,164.81 94.47,164.81 93.22,163.56 ; R1#28.2 125.22,8.81 120.47,8.81 119.22,7.56 ; 93.22,33.56 94.47,34.81 99.22,34.81 R1.2 ; 119.22,163.56 120.47,164.81 125.22,164.81 R1#20.2 ; 119.22,33.56 120.47,34.81 125.22,34.81 R1#14.2 ; 67.22,137.56 68.47,138.81 73.22,138.81 R1#26.2 ; 177.72,165.28 177.22,164.78 172.47,164.78 171.22,163.53 ; R1#41.2 73.22,34.81 68.47,34.81 67.22,33.56 ; R1#17.2 177.22,60.78 172.47,60.78 171.22,59.53 ; 93.22,85.56 94.47,86.81 99.22,86.81 R1#29.2 ; R1#21.2 73.22,60.81 68.47,60.81 67.22,59.56 ; 145.22,7.56 146.47,8.81 151.22,8.81 R1#24.2 ; R1#5.2 21.22,86.78 16.47,86.78 15.22,85.53 ; 119.22,85.56 120.47,86.81 125.22,86.81 R1#22.2 ; 41.22,59.56 42.47,60.81 47.22,60.81 R1#9.2 ; 145.22,33.56 146.47,34.81 151.22,34.81 R1#25.2 ; R1#32.2 73.22,164.81 68.47,164.81 67.22,163.56 ; 15.22,7.53 16.47,8.78 21.22,8.78 R1#44.2 ; R1#31.2 177.22,8.78 172.47,8.78 171.22,7.53 ; R1#11.2 177.22,112.78 172.47,112.78 171.22,111.53 ; 177.72,139.28 177.22,138.78 172.47,138.78 171.22,137.53 ; R1#46.2 151.22,60.81 146.47,60.81 145.22,59.56 ; R1#40.2 99.22,138.81 94.47,138.81 93.22,137.56 ; 41.22,163.56 42.47,164.81 47.22,164.81 R1#12.2 ; 119.22,59.56 120.47,60.81 125.22,60.81 R1#2.2 ; R1#27.2 151.22,112.81 146.47,112.81 145.22,111.56 ; 21.72,165.28 21.22,164.78 16.47,164.78 15.22,163.53 ; R1#16.2 125.22,112.81 120.47,112.81 119.22,111.56 ; R1#7.2 21.22,60.78 16.47,60.78 15.22,59.53 ; R1#42.2 151.22,138.81 146.47,138.81 145.22,137.56 ; 41.22,7.56 42.47,8.81 47.22,8.81 R1#18.2 ; 171.22,33.53 172.47,34.78 177.22,34.78 R1#34.2 ; R1#36.2 47.22,86.81 42.47,86.81 41.22,85.56 ; R1#10.2 21.22,34.78 16.47,34.78 15.22,33.53 ; 67.22,7.56 68.47,8.81 73.22,8.81 R1#23.2 ; R1#19.2 47.22,112.81 42.47,112.81 41.22,111.56 ; 93.22,59.56 94.47,60.81 99.22,60.81 R1#30.2 ; 15.22,111.53 16.47,112.78 21.22,112.78 R1#15.2 ; 171.22,85.53 172.47,86.78 177.22,86.78 R1#39.2 ; R1#13.2 99.22,8.81 94.47,8.81 93.22,7.56 ; R1#38.2 151.22,164.81 146.47,164.81 145.22,163.56 ; R1#6.2 73.22,86.81 68.47,86.81 67.22,85.56 ; 21.72,139.28 21.22,138.78 16.47,138.78 15.22,137.53 ; R1#4.2 47.22,34.81 42.47,34.81 41.22,33.56 ; R1#33.2 99.22,112.81 94.47,112.81 93.22,111.56 ; R1#48.2 47.22,138.81 42.47,138.81 41.22,137.56 ; R1#37.2 151.22,86.81 146.47,86.81 145.22,85.56 ; 67.22,111.56 68.47,112.81 73.22,112.81 R1#3.2 ; 119.22,137.56 120.47,138.81 125.22,138.81 R1#8.2
  vias: v2(15.22,163.78) v2(15.22,137.78) v2(15.22,111.78) v2(15.22,85.78) v2(15.22,59.78) v2(15.22,33.78) v2(15.22,7.78) v2(41.22,163.81) v2(41.22,137.81) v2(41.22,111.81) v2(41.22,85.81) v2(41.22,59.81) v2(41.22,33.81) v2(41.22,7.81) v2(67.22,163.81) v2(67.22,137.81) v2(67.22,111.81) v2(67.22,85.81) v2(67.22,59.81) v2(67.22,33.81) v2(67.22,7.81) v2(93.22,163.81) v2(93.22,137.81) v2(93.22,111.81) v2(93.22,85.81) v2(93.22,59.81) v2(93.22,33.81) v2(93.22,7.81) v2(119.22,163.81) v2(119.22,137.81) v2(119.22,111.81) v2(119.22,85.81) v2(119.22,59.81) v2(119.22,33.81) v2(119.22,7.81) v2(145.22,163.81) v2(145.22,137.81) v2(145.22,111.81) v2(145.22,85.81) v2(145.22,59.81) v2(145.22,33.81) v2(145.22,7.81) v2(171.22,163.78) v2(171.22,137.78) v2(171.22,111.78) v2(171.22,85.78) v2(171.22,59.78) v2(171.22,33.78) v2(171.22,7.78)

## Copper pours and planes (outline as drawn; the poured copper is in the pictures)
GND on Top: 54.97,0.06 31.97,0.06 31.97,23.06 54.97,23.06
GND on Top: 54.97,130.06 31.97,130.06 31.97,153.06 54.97,153.06
GND on Top: 184.97,104.03 161.97,104.03 161.97,127.03 184.97,127.03
GND on Top: 28.97,0.03 5.97,0.03 5.97,23.03 28.97,23.03
GND on Top: 54.97,52.06 31.97,52.06 31.97,75.06 54.97,75.06
GND on Top: 132.97,78.06 109.97,78.06 109.97,101.06 132.97,101.06
GND on Top: 132.97,104.06 109.97,104.06 109.97,127.06 132.97,127.06
GND on Top: 106.97,52.06 83.97,52.06 83.97,75.06 106.97,75.06
GND on Top: 184.97,26.03 161.97,26.03 161.97,49.03 184.97,49.03
GND on Top: 28.97,26.03 5.97,26.03 5.97,49.03 28.97,49.03
GND on Top: 158.97,0.06 135.97,0.06 135.97,23.06 158.97,23.06
GND on Top: 80.97,26.06 57.97,26.06 57.97,49.06 80.97,49.06
GND on Top: 132.97,130.06 109.97,130.06 109.97,153.06 132.97,153.06
GND on Top: 28.97,130.03 5.97,130.03 5.97,153.03 28.97,153.03
GND on Top: 28.97,78.03 5.97,78.03 5.97,101.03 28.97,101.03
GND on Top: 54.97,26.06 31.97,26.06 31.97,49.06 54.97,49.06
GND on Top: 184.97,52.03 161.97,52.03 161.97,75.03 184.97,75.03
GND on Top: 158.97,130.06 135.97,130.06 135.97,153.06 158.97,153.06
GND on Top: 132.97,156.06 109.97,156.06 109.97,179.06 132.97,179.06
GND on Top: 106.97,26.06 83.97,26.06 83.97,49.06 106.97,49.06
GND on Top: 158.97,52.06 135.97,52.06 135.97,75.06 158.97,75.06
GND on Top: 80.97,156.06 57.97,156.06 57.97,179.06 80.97,179.06
GND on Top: 80.97,130.06 57.97,130.06 57.97,153.06 80.97,153.06
GND on Top: 106.97,78.06 83.97,78.06 83.97,101.06 106.97,101.06
GND on Top: 158.97,78.06 135.97,78.06 135.97,101.06 158.97,101.06
GND on Top: 80.97,52.06 57.97,52.06 57.97,75.06 80.97,75.06
GND on Top: 106.97,130.06 83.97,130.06 83.97,153.06 106.97,153.06
GND on Top: 184.97,78.03 161.97,78.03 161.97,101.03 184.97,101.03
GND on Top: 80.97,0.06 57.97,0.06 57.97,23.06 80.97,23.06
GND on Top: 158.97,104.06 135.97,104.06 135.97,127.06 158.97,127.06
GND on Top: 54.97,104.06 31.97,104.06 31.97,127.06 54.97,127.06
GND on Top: 80.97,104.06 57.97,104.06 57.97,127.06 80.97,127.06
GND on Top: 106.97,156.06 83.97,156.06 83.97,179.06 106.97,179.06
GND on Top: 106.97,0.06 83.97,0.06 83.97,23.06 106.97,23.06
GND on Top: 132.97,0.06 109.97,0.06 109.97,23.06 132.97,23.06
GND on Top: 184.97,130.03 161.97,130.03 161.97,153.03 184.97,153.03
GND on Top: 28.97,104.03 5.97,104.03 5.97,127.03 28.97,127.03
GND on Top: 80.97,78.06 57.97,78.06 57.97,101.06 80.97,101.06
GND on Top: 106.97,104.06 83.97,104.06 83.97,127.06 106.97,127.06
GND on Top: 132.97,26.06 109.97,26.06 109.97,49.06 132.97,49.06
GND on Top: 184.97,156.03 161.97,156.03 161.97,179.03 184.97,179.03
GND on Top: 28.97,156.03 5.97,156.03 5.97,179.03 28.97,179.03
GND on Top: 158.97,156.06 135.97,156.06 135.97,179.06 158.97,179.06
GND on Top: 54.97,78.06 31.97,78.06 31.97,101.06 54.97,101.06
GND on Top: 132.97,52.06 109.97,52.06 109.97,75.06 132.97,75.06
GND on Top: 28.97,52.03 5.97,52.03 5.97,75.03 28.97,75.03
GND on Top: 184.97,0.03 161.97,0.03 161.97,23.03 184.97,23.03
GND on Top: 158.97,26.06 135.97,26.06 135.97,49.06 158.97,49.06
GND on Top: 54.97,156.06 31.97,156.06 31.97,179.06 54.97,179.06
GND on Bottom: 106.97,101.06 106.97,78.06 83.97,78.06 83.97,101.06
GND on Bottom: 184.97,127.03 184.97,104.03 161.97,104.03 161.97,127.03
GND on Bottom: 106.97,49.06 106.97,26.06 83.97,26.06 83.97,49.06
GND on Bottom: 54.97,127.06 54.97,104.06 31.97,104.06 31.97,127.06
GND on Bottom: 54.97,75.06 54.97,52.06 31.97,52.06 31.97,75.06
GND on Bottom: 132.97,179.06 132.97,156.06 109.97,156.06 109.97,179.06
GND on Bottom: 54.97,23.06 54.97,0.06 31.97,0.06 31.97,23.06
GND on Bottom: 158.97,23.06 158.97,0.06 135.97,0.06 135.97,23.06
GND on Bottom: 184.97,49.03 184.97,26.03 161.97,26.03 161.97,49.03
GND on Bottom: 28.97,127.03 28.97,104.03 5.97,104.03 5.97,127.03
GND on Bottom: 28.97,75.03 28.97,52.03 5.97,52.03 5.97,75.03
GND on Bottom: 158.97,127.06 158.97,104.06 135.97,104.06 135.97,127.06
GND on Bottom: 158.97,153.06 158.97,130.06 135.97,130.06 135.97,153.06
GND on Bottom: 132.97,75.06 132.97,52.06 109.97,52.06 109.97,75.06
GND on Bottom: 184.97,153.03 184.97,130.03 161.97,130.03 161.97,153.03
GND on Bottom: 158.97,101.06 158.97,78.06 135.97,78.06 135.97,101.06
GND on Bottom: 54.97,101.06 54.97,78.06 31.97,78.06 31.97,101.06
GND on Bottom: 80.97,153.06 80.97,130.06 57.97,130.06 57.97,153.06
GND on Bottom: 106.97,127.06 106.97,104.06 83.97,104.06 83.97,127.06
GND on Bottom: 54.97,153.06 54.97,130.06 31.97,130.06 31.97,153.06
GND on Bottom: 106.97,153.06 106.97,130.06 83.97,130.06 83.97,153.06
GND on Bottom: 80.97,75.06 80.97,52.06 57.97,52.06 57.97,75.06
GND on Bottom: 184.97,75.03 184.97,52.03 161.97,52.03 161.97,75.03
GND on Bottom: 158.97,49.06 158.97,26.06 135.97,26.06 135.97,49.06
GND on Bottom: 28.97,49.03 28.97,26.03 5.97,26.03 5.97,49.03
GND on Bottom: 106.97,75.06 106.97,52.06 83.97,52.06 83.97,75.06
GND on Bottom: 106.97,23.06 106.97,0.06 83.97,0.06 83.97,23.06
GND on Bottom: 54.97,179.06 54.97,156.06 31.97,156.06 31.97,179.06
GND on Bottom: 28.97,153.03 28.97,130.03 5.97,130.03 5.97,153.03
GND on Bottom: 28.97,179.03 28.97,156.03 5.97,156.03 5.97,179.03
GND on Bottom: 184.97,101.03 184.97,78.03 161.97,78.03 161.97,101.03
GND on Bottom: 158.97,179.06 158.97,156.06 135.97,156.06 135.97,179.06
GND on Bottom: 184.97,23.03 184.97,0.03 161.97,0.03 161.97,23.03
GND on Bottom: 80.97,179.06 80.97,156.06 57.97,156.06 57.97,179.06
GND on Bottom: 80.97,49.06 80.97,26.06 57.97,26.06 57.97,49.06
GND on Bottom: 184.97,179.03 184.97,156.03 161.97,156.03 161.97,179.03
GND on Bottom: 132.97,101.06 132.97,78.06 109.97,78.06 109.97,101.06
GND on Bottom: 106.97,179.06 106.97,156.06 83.97,156.06 83.97,179.06
GND on Bottom: 80.97,101.06 80.97,78.06 57.97,78.06 57.97,101.06
GND on Bottom: 28.97,23.03 28.97,0.03 5.97,0.03 5.97,23.03
GND on Bottom: 80.97,23.06 80.97,0.06 57.97,0.06 57.97,23.06
GND on Bottom: 80.97,127.06 80.97,104.06 57.97,104.06 57.97,127.06
GND on Bottom: 132.97,49.06 132.97,26.06 109.97,26.06 109.97,49.06
GND on Bottom: 158.97,75.06 158.97,52.06 135.97,52.06 135.97,75.06
GND on Bottom: 28.97,101.03 28.97,78.03 5.97,78.03 5.97,101.03
GND on Bottom: 132.97,127.06 132.97,104.06 109.97,104.06 109.97,127.06
GND on Bottom: 132.97,23.06 132.97,0.06 109.97,0.06 109.97,23.06
GND on Bottom: 132.97,153.06 132.97,130.06 109.97,130.06 109.97,153.06
GND on Bottom: 54.97,49.06 54.97,26.06 31.97,26.06 31.97,49.06

## Text on the board
F.Silkscreen: SMART LED WS2812B RING7
User.9: CUTOUT
